# Altium PCB openmv2025.PcbDoc (part 1 of 2)
Units mm, origin at the board's own origin, x right, y up, seen from the top; angles counter-clockwise.
Board outline 130 x 110.34 mm, 2 copper layers (Top Layer, Bottom Layer); 112 components, 172 nets, 482 pads, 127 vias.
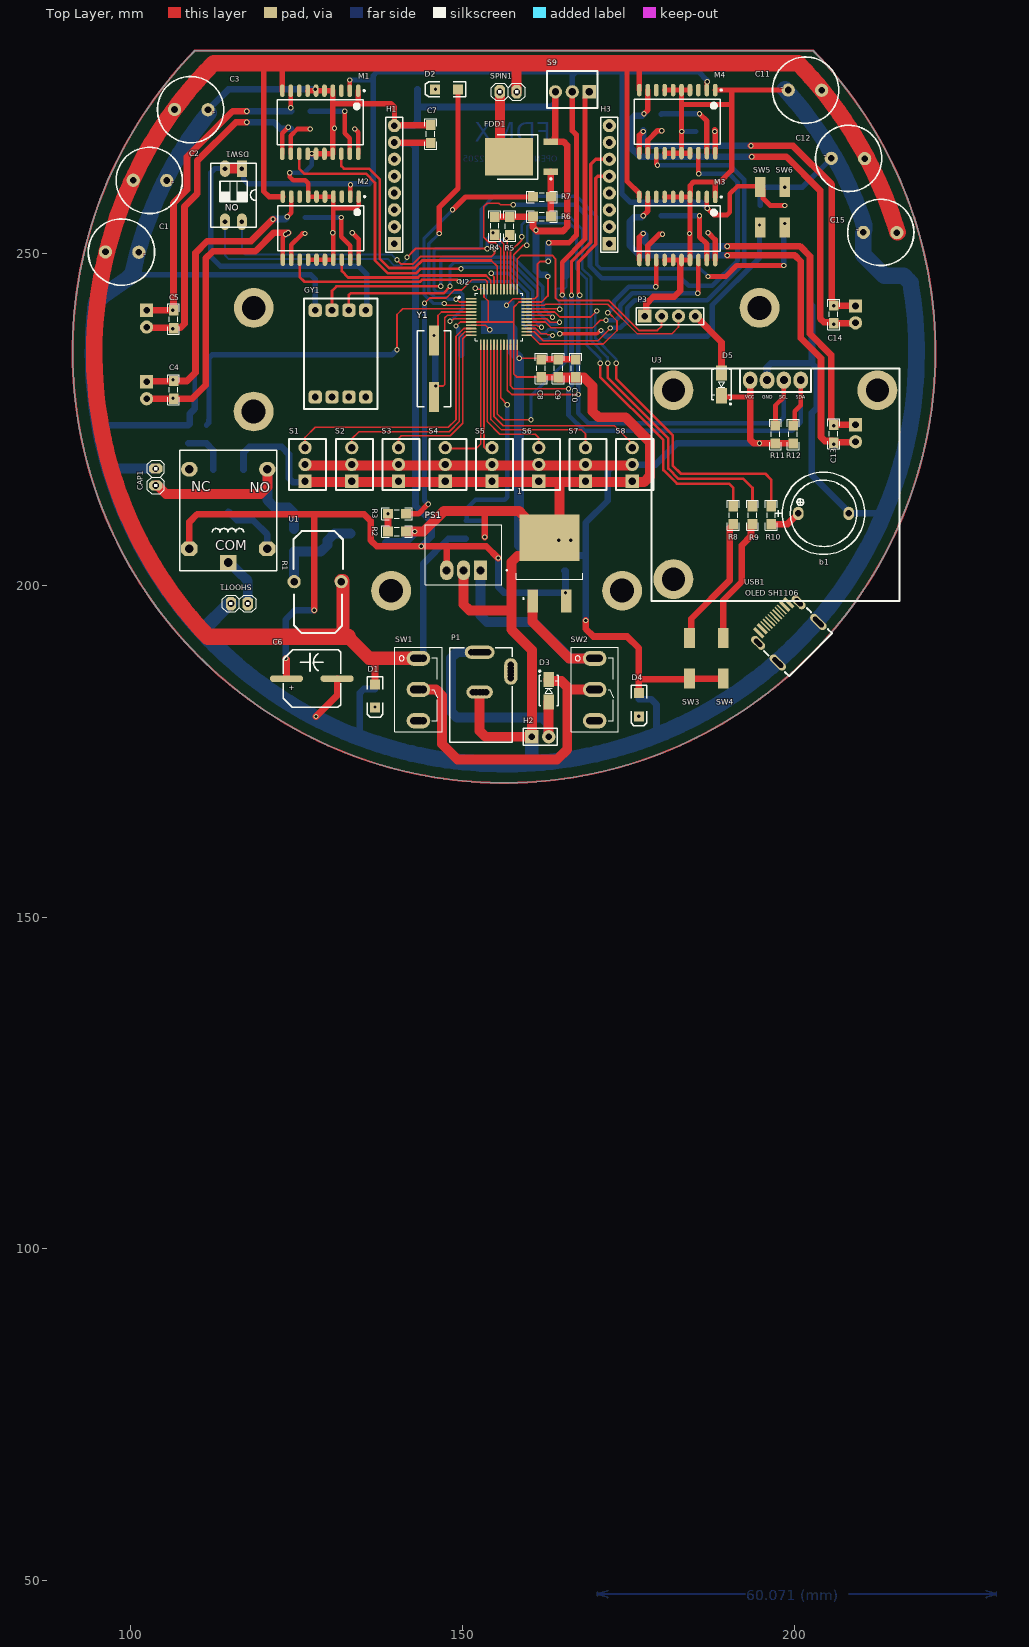
[diagram p0: Top Layer view]
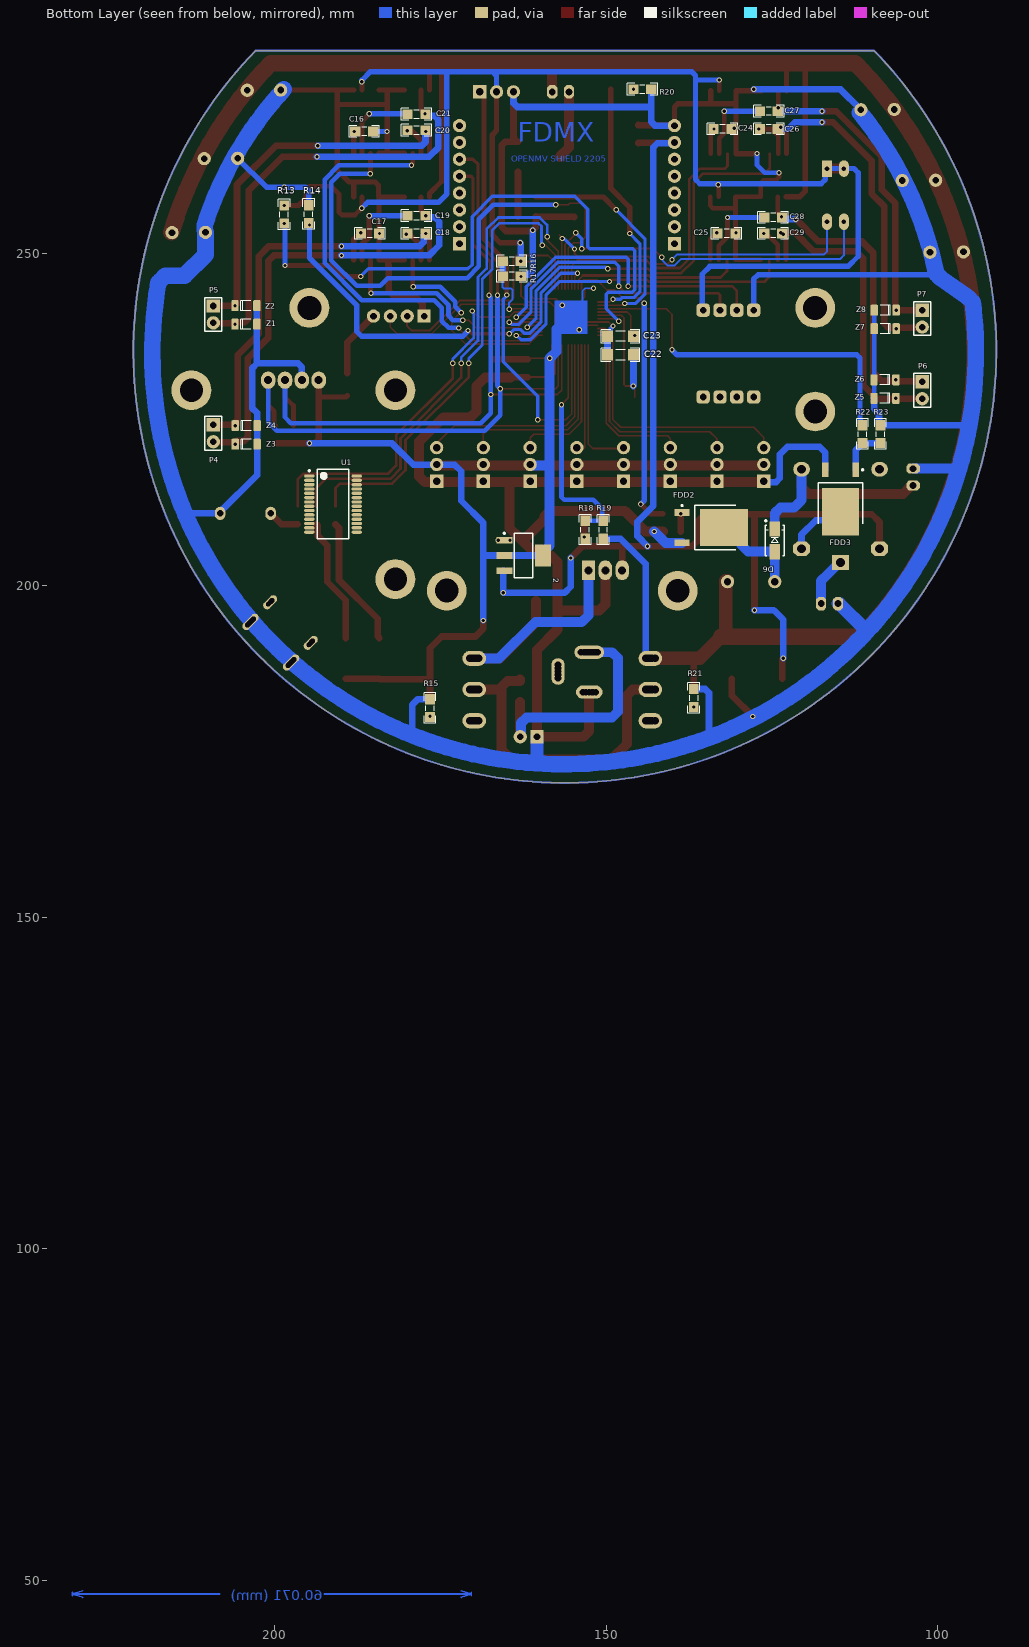
[diagram p1: Bottom Layer view, seen from below]
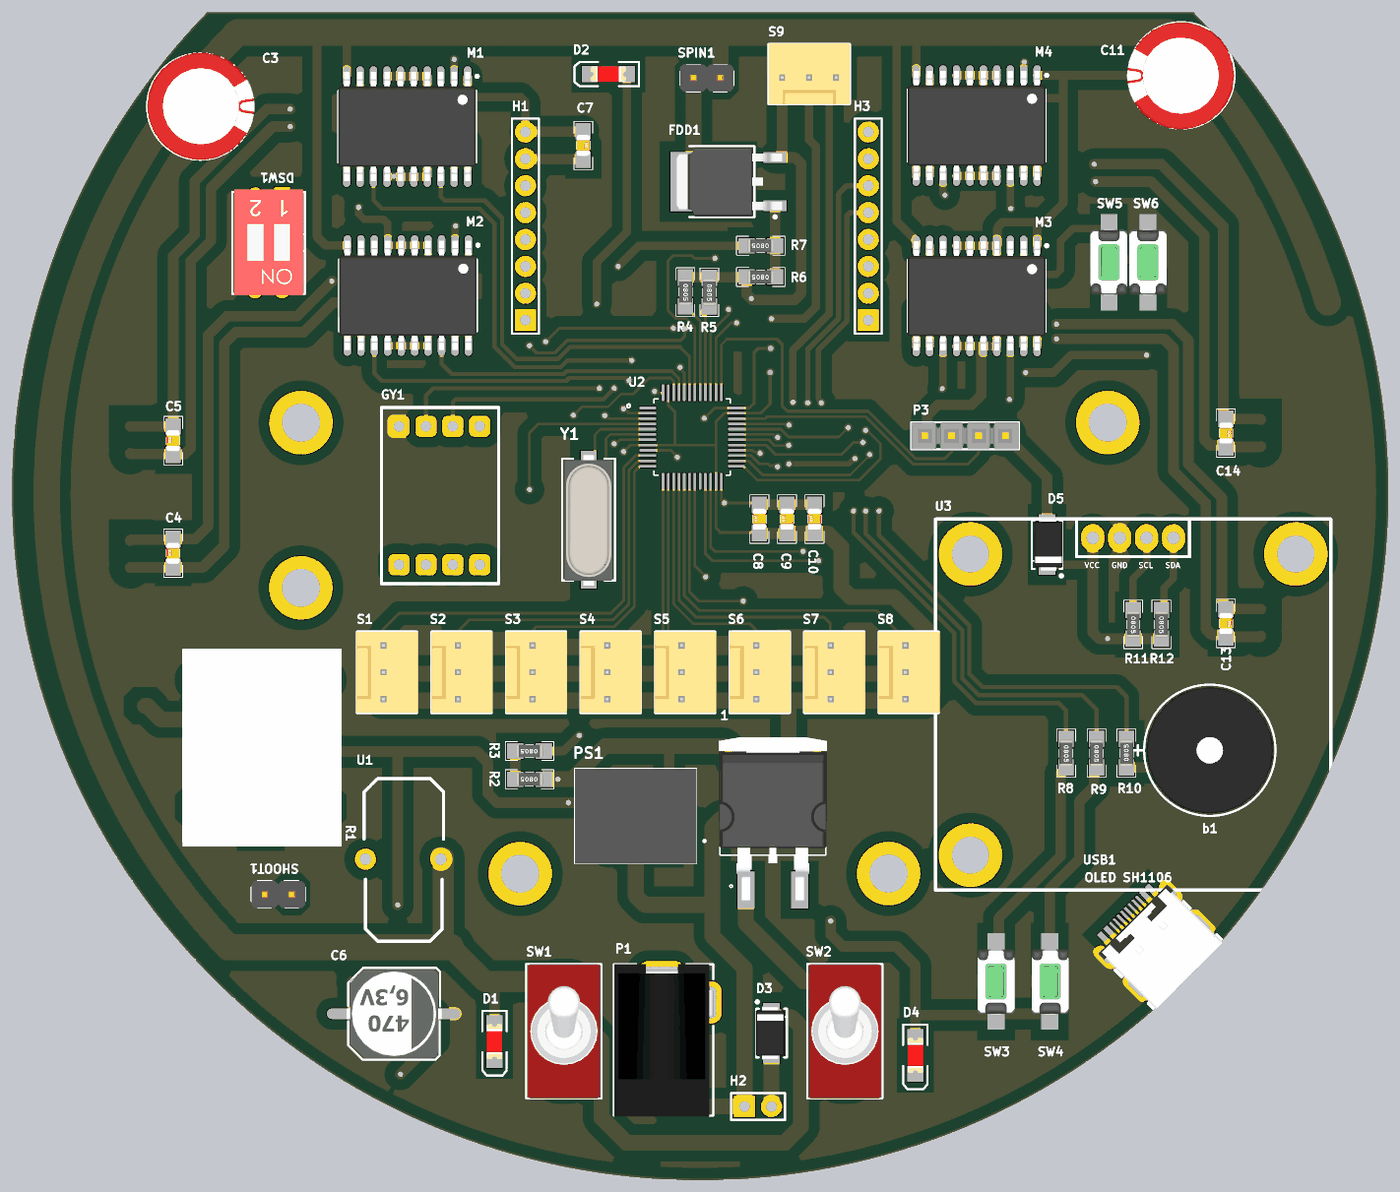
[diagram p3: 3D render of the assembled board from above, using the file's embedded part models]
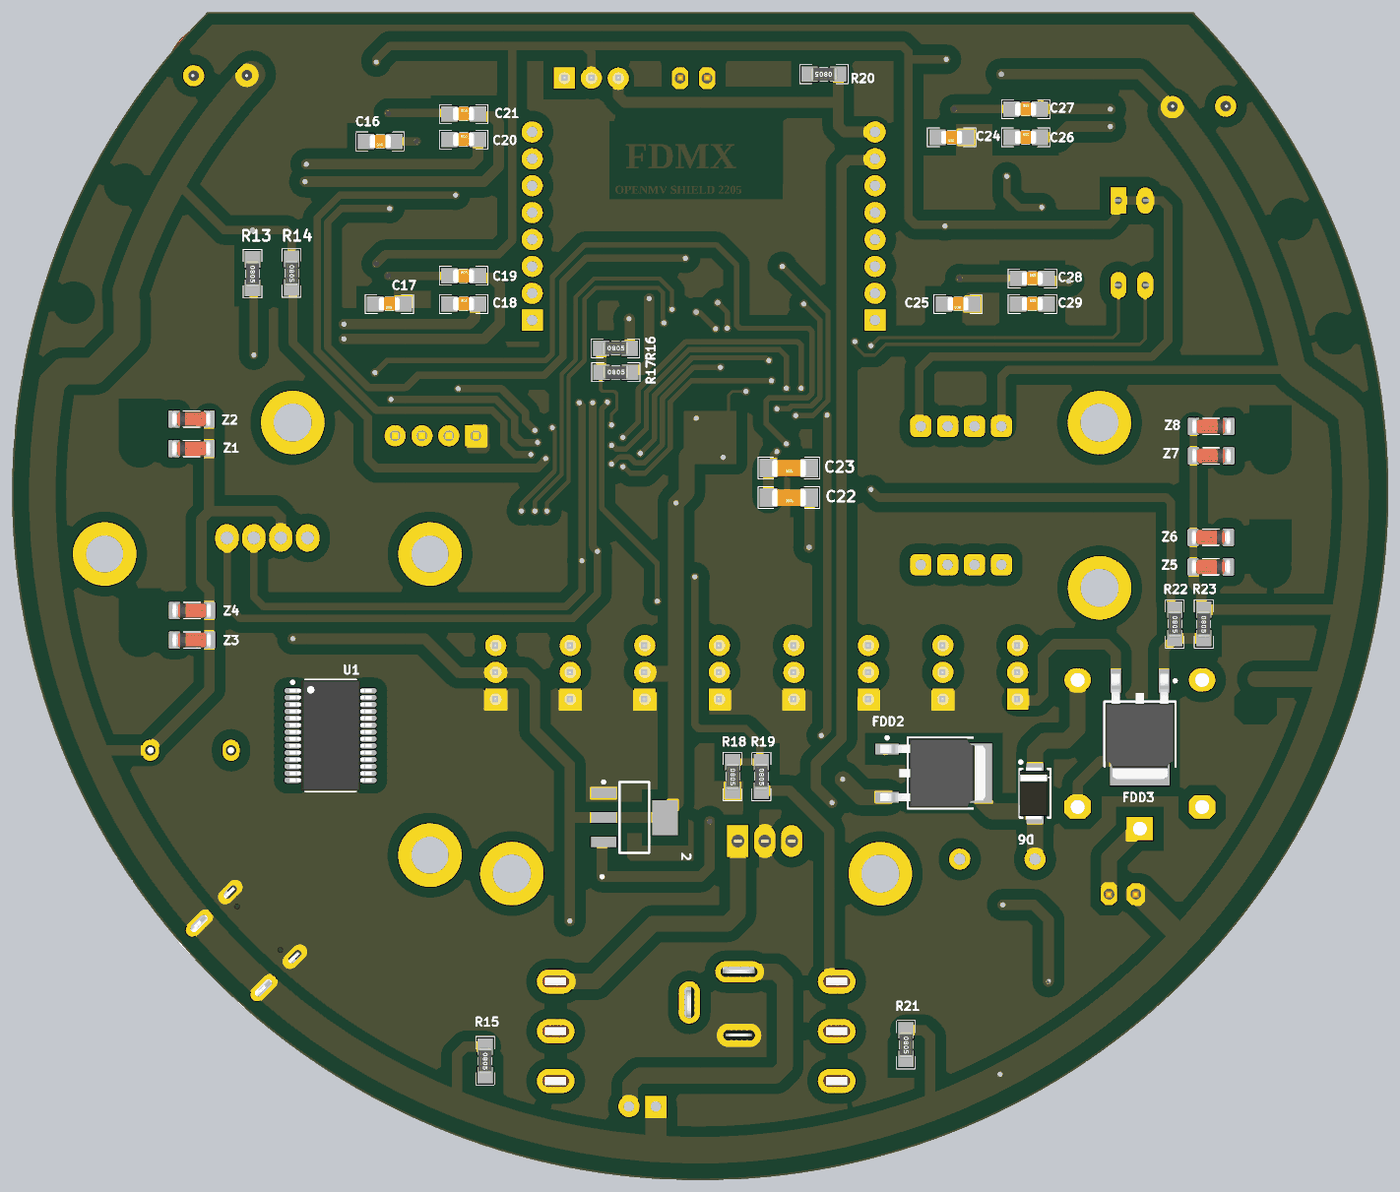
[diagram p4: 3D render of the assembled board from below, using the file's embedded part models]

## Layer stack, top to bottom
Top Solder: solder mask 0.0102, Solder Resist, Dk 3.5
Top Layer: signal copper 0.0356
Dielectric 1: dielectric 0.32, FR-4, Dk 4.8
Bottom Layer: signal copper 0.0356
Bottom Solder: solder mask 0.0102, Solder Resist, Dk 3.5

## Board outline
109.618,280.527 ccw(c156.21,235.204) 202.804,280.525 202.819,280.543

## Design rules (kind name [scope] priority, off if disabled: settings)
Clearance [All] p1: gap=1 ignorepadtopadclearanceinfootprint=FALSE except(0.25: Arc-Arc Arc-Track Arc-SMDPad Track-Track Track-SMDPad SMDPad-SMDPad; 0.254: Arc-THPad Arc-Via Arc-Text Arc-Hole Track-THPad Track-Via Track-Text Track-Hole SMDPad-THPad SMDPad-Via SMDPad-Text SMDPad-Hole THPad-THPad THPad-Via THPad-Text THPad-Hole Via-Via Via-Text Via-Hole Text-Text Text-Hole; 0.5: Fill-Text Fill-Hole Poly-Text Poly-Hole Region-Text Region-Hole)
ComponentClearance [All] p1 off: gap=0.254 collisioncheckmode=3 verticalgap=0.254 showdistances=FALSE
Height [All] p1 off: minheight=0 maxheight=25.4 prefheight=12.7
PolygonConnect [All] p1: connectstyle=Direct reliefconductorwidth=0.254 reliefentries=4 polygonreliefangle="90 Angle" airgapwidth=0.254
RoutingVias [All] p1: holewidth=0.3 width=0.6 viastyle="Through Hole" minholewidth=0.25 minwidth=0.25 maxholewidth=1 maxwidth=1
SolderMaskExpansion [All] p1: expansion=0.102 istentingtop=FALSE
Width [All] p1: maxlimit=10 minlimit=0.25 preferedwidth=0.8
28 further rules are at their usual default settings.

## Components (designator, comment, footprint, x,y, rotation, side; value= is the part's Value field where it differs from the comment)
1 "" VREG_L7805ACD2T 163.068,204.324 r90 top
2 "Comment" SOT223_N 162.433,204.47 r180 bottom
b1 "Comment" "BUZZER 7.62mm DC" 204.343,210.82 r0 top
C1 "Comment" "MY_CAP_POL 10MM" 98.679,250.19 r0 top
C2 "Comment" "MY_CAP_POL 10MM" 102.87,260.985 r0 top
C3 "Comment" "MY_CAP_POL 10MM" 109.093,271.653 r0 top
C4 "Comment" CAPC3413X12N 106.426,229.442 r90 top
C5 "Comment" CAPC3413X12N 106.426,240.077 r90 top
C6 "Comment" "CAP SMD 470uF" 127.254,185.928 r180 top
C7 "Comment" CAPC3413X12N 145.161,267.97 r270 top
C8 "Comment" CAPC3413X12N 161.798,232.664 r90 top
C9 "Comment" CAPC3413X12N 164.401,232.664 r90 top
C10 "Comment" CAPC3413X12N 167.005,232.664 r90 top
C11 "Comment" "MY_CAP_POL 10MM" 201.549,274.574 r180 top
C12 "Comment" "MY_CAP_POL 10MM" 208.026,264.287 r180 top
C13 "Comment" CAPC3413X12N 205.867,222.805 r270 top
C14 "Comment" CAPC3413X12N 205.867,240.792 r270 top
C15 "Comment" "MY_CAP_POL 10MM" 212.875,253.131 r180 top
C16 "Comment" CAPC3413X12N 186.436,268.351 r0 bottom
C17 "Comment" CAPC3413X12N 185.575,252.984 r0 bottom
C18 "Comment" CAPC3413X12N 178.562,252.984 r180 bottom
C19 "Comment" CAPC3413X12N 178.562,255.651 r180 bottom
C20 "Comment" CAPC3413X12N 178.562,268.531 r180 bottom
C21 "Comment" CAPC3413X12N 178.562,270.944 r180 bottom
C22 "0.1uF" CAPC4817X12N 147.828,234.696 r0 bottom (schematic designator C12)
C23 "0.1uF" CAPC4817X12N 147.828,237.49 r0 bottom (schematic designator C11)
C24 "Comment" CAPC3413X12N 132.461,268.732 r0 bottom
C25 "Comment" CAPC3413X12N 131.854,252.984 r0 bottom
C26 "Comment" CAPC3413X12N 125.476,268.732 r180 bottom
C27 "Comment" CAPC3413X12N 125.476,271.399 r180 bottom
C28 "Comment" CAPC3413X12N 124.841,255.397 r180 bottom
C29 "Comment" CAPC3413X12N 124.841,252.984 r180 bottom
CAP1 "Comment" My_1X02 103.759,217.551 r90 top
D1 "SMD 1206 LED" "LED 1206" 136.779,183.289 r270 top (schematic designator D2)
D2 "SMD 1206 LED" "LED 1206" 147.537,274.706 r180 top
D3 "1n4007" DIOM4629X24N 162.941,184.101 r90 top
D4 "SMD 1206 LED" "LED 1206" 176.53,181.991 r270 top (schematic designator D2)
D5 "1n4007" DIOM4629X24N 188.976,230.251 r270 top
D6 "1n4007" DIOM4629X24N 124.587,206.756 r90 bottom (schematic designator D3)
DSW1 "Comment" "DIP Switch x2" 116.713,262.763 r180 top
FDD1 "Comment" TO252-3M 158.875,264.541 r180 top
FDD2 "Comment" TO252-3M 134.157,208.667 r180 bottom locked
FDD3 "Comment" TO252-3M 114.681,212.979 r270 bottom
GY1 "Comment" GY25 117.729,246.126 r270 top
H1 "Comment" HDR1X8 139.7,251.46 r90 top locked
H2 "Comment" HDR1X2 160.401,177.165 r0 top
H3 "Comment" HDR1X8 172.085,251.46 r90 top locked
M1 "Comment" L6201 128.524,269.748 r270 top
M2 "Comment" L6201 128.599,253.789 r270 top
M3 "Comment" L6201 182.32,253.746 r270 top
M4 "Comment" L6201 182.32,269.844 r270 top
P1 "Comment" "DC Power Jack 1" 151.743,189.896 r90 top
P3 "Header 4" HDR1X4 177.419,240.538 r0 top (schematic designator P6)
P4 "Header 2" HDR1X2 209.169,224.155 r270 bottom
P5 "Header 2" HDR1X2 209.169,242.062 r270 bottom (schematic designator P4)
P6 "Header 2" HDR1X2 102.362,230.632 r270 bottom (schematic designator P4)
P7 "Header 2" HDR1X2 102.362,241.427 r270 bottom (schematic designator P4)
PS1 "K7805-2000R3" CONV_K7805-2000R3 150.114,204.597 r180 top
R1 "Comment" "Relay 18.85x15.35x15.70" 114.681,210.439 r0 top
R2 "Comment" RESC3413X04N 140.081,208.085 r180 top
R3 "Comment" RESC3413X04N 140.081,210.752 r180 top
R4 "Comment" RESC3413X04N 154.813,254.127 r270 top
R5 "Comment" RESC3413X04N 157.066,254.105 r270 top
R6 "Comment" RESC3413X04N 161.925,255.536 r180 top
R7 "Comment" RESC3413X04N 161.925,258.496 r180 top
R8 "Comment" RESC3413X04N 190.768,210.544 r270 top
R9 "Comment" RESC3413X04N 193.642,210.544 r270 top
R10 "1K" RESC3413X04N 196.469,210.544 r90 top (schematic designator R22)
R11 "1K" RESC3413X04N 197.102,222.711 r270 top (schematic designator R34)
R12 "1K" RESC3413X04N 199.771,222.711 r270 top (schematic designator R35)
R13 "1K" RESC3413X04N 198.501,255.848 r270 bottom (schematic designator R24)
R14 "1K" RESC3413X04N 194.818,255.905 r270 bottom (schematic designator R23)
R15 "1K" RESC3413X04N 176.53,181.483 r270 bottom (schematic designator R22)
R16 "Comment" RESC3413X04N 164.211,248.793 r180 bottom
R17 "Comment" RESC3413X04N 164.189,246.54 r180 bottom
R18 "Comment" RESC3413X04N 153.155,208.348 r270 bottom
R19 "Comment" RESC3413X04N 150.429,208.348 r270 bottom
R20 "1K" RESC3413X04N 144.526,274.701 r0 bottom (schematic designator R22)
R21 "1K" RESC3413X04N 136.779,183.007 r270 bottom (schematic designator R22)
R22 "Comment" RESC3413X04N 111.379,222.758 r270 bottom
R23 "Comment" RESC3413X04N 108.653,222.758 r270 bottom
S1 "Comment" "H3 MOLEX" 126.238,218.186 r90 top
S2 "Comment" "H3 MOLEX" 133.279,218.186 r90 top
S3 "Comment" "H3 MOLEX" 140.321,218.186 r90 top
S4 "Comment" "H3 MOLEX" 147.362,218.186 r90 top
S5 "Comment" "H3 MOLEX" 154.404,218.186 r90 top
S6 "Comment" "H3 MOLEX" 161.445,218.186 r90 top
S7 "Comment" "H3 MOLEX" 168.487,218.186 r90 top
S8 "Comment" "H3 MOLEX" 175.528,218.186 r90 top
S9 "Comment" "H3 MOLEX" 166.497,274.32 r180 top
SHOOT1 "Comment" My_1X02 117.602,197.231 r0 top
SPIN1 "Comment" My_1X02 155.575,274.32 r180 top
SW1 "Comment" "Switch SPDT - 500x270x1100x185 mil" 143.321,184.278 r0 top
SW2 "Comment" "Switch SPDT - 500x270x1100x185 mil" 169.864,184.278 r0 top
SW3 "Comment" SMD_ALPS_SKQMBBE010#1 184.15,188.976 r270 top
SW4 "Comment" SMD_ALPS_SKQMBBE010#2 189.26,188.976 r270 top
SW5 "Comment" SMD_ALPS_SKQMBBE010#1 194.818,256.921 r90 top
SW6 "Comment" SMD_ALPS_SKQMBBE010#1 198.501,256.921 r90 top
U1 "Comment" FT232RL 191.135,212.217 r180 bottom
U1 "Comment" inductor 128.143,200.66 r0 top
U2 "STM32F103C8T6" QFP50P900X900X160-48N 155.448,240.411 r0 top locked (schematic designator U5)
U3 "Comment" "OLED SH1106" 197.104,215.138 r0 top
USB1 "Comment" "USB Type C 12pin" 198.628,193.294 r225 top
Y1 "12 MHz" "Crystal SMD" 145.669,232.605 r90 top
Z1 "Comment" "SOD80, LL-34" 204.259,239.325 r180 bottom
Z2 "Comment" "SOD80, LL-34" 204.259,242.114 r180 bottom
Z3 "Comment" "SOD80, LL-34" 204.216,221.239 r180 bottom
Z4 "Comment" "SOD80, LL-34" 204.216,224.028 r180 bottom
Z5 "Comment" "SOD80, LL-34" 107.993,228.149 r0 bottom
Z6 "Comment" "SOD80, LL-34" 107.993,230.938 r0 bottom
Z7 "Comment" "SOD80, LL-34" 107.95,238.638 r0 bottom
Z8 "Comment" "SOD80, LL-34" 107.95,241.427 r0 bottom

## Footprints (in the part's own frame and the unit in brackets; to place one, negate y for a bottom-side part, rotate by r counter-clockwise, add the part's x,y. Pads: shape width x height; smd on the part's side, far side on the other; paste and mask are expansions set on the pad)
"BUZZER 7.62mm DC" [mm] "BUZZER 12mm DIA , 7.62mm pitch DESIGNER ABBAS BASEREH"
  oval 1.6x2 hole 1: 1(-3.81,0) 2(3.81,0)
  silkscreen extent -7.3,-6.2 6.2,6.2, body extent -6,-6 6,6, height 9.5
"CAP SMD 470uF" [mm] "SMD CAP 470uF"
  oval 5x1 smd: 1(3.81,0) 2(-3.81,0)
  silkscreen extent -4.37,-4.34 4.29,4.34, body extent -4.53,-4.15 4.47,4.15, height 12
CAPC3413X12N [mm] "Chip Capacitor, 2-Leads, Body 3/40x1/30mm, IPC Medium Density-Design:Abbas Basereh"
  rect 1.55x1.45 smd: 1(-1.35,0) 2(1.35,0)
  silkscreen extent -2.29,-0.89 2.29,0.89, body extent -1,-0.62 1,0.63, height 0.78
CAPC4817X12N [mm] "Chip Capacitor, 2-Leads, Body 4/80x1/70mm, IPC Medium Density-Design:Abbas Basereh"
  rect 1.65x1.75 smd: 1(-1.95,0) 2(1.95,0)
  silkscreen extent -2.92,-1.02 2.92,1.02, body extent -1.6,-0.8 1.6,0.8, height 1
CONV_K7805-2000R3 [mm]
  rect 2x3 hole 1.2: 1(-2.54,2.35)
  oval 2x3 hole 1.2: 2(0,2.35) 3(2.54,2.35)
  silkscreen extent -6.6,-4.5 5.75,4.5, body extent -5.75,-4.5 5.75,4.5, height 17.5
"Crystal SMD" [mm] "DESIGNER ABBAS BASEREH"
  rect 4.5x1.5 smd: 1(-4.25,0) 2(4.25,0)
  silkscreen extent -5.75,-2.5 5.75,2.5, body extent -6.21,-2.25 6.09,2.25, height 5.18
"DC Power Jack 1" [mm] "Power Adaptor Jack"
  round 1.5 hole 1: 1(0,0.45) 1(0,0) 1(0,-0.4) 1(0,-1.2) 1(0,-1.6) 1(0,-2.05) 2(-6,-1.8) 2(-6,0.2) 2(-6,-1.3) 2(-6,-0.3) 3(-3.9,-5.5) 3(-3.4,-5.5) 3(-2.4,-5.5) 3(-1.9,-5.5)
  oval 2x4.5 hole 1: 1(0,-0.8)
  oval 2x4 hole 1: 2(-6,-0.8)
  oval 4x2 hole 1: 3(-2.9,-5.5)
  silkscreen extent -13.59,-5.7 0.7,3.7, body extent -13.68,-5.74 0.72,3.66, height 11.05
DIOM4629X24N [mm] "Molded Diode, 2-Leads, Body 4/60x2/90mm, IPC Medium Density-Design:Abbas Basereh"
  rect 2.3x1.6 smd: 1(-1.7,0) 2(1.7,0)
  silkscreen extent -2.3,-1.45 3.07,1.47, body extent -2.5,-1.22 2.5,1.48, height 2.2
"DIP Switch x2" [mm] "Switch DIP 2 way flat slide Thru-Hole-Design:Ali Hafizi"
  rect 1.5x2.5 hole 0.7: 1(0,0)
  oval 1.5x2.5 hole 0.7: 2(2.54,0) 3(2.54,8) 4(0,8)
  silkscreen extent -2.16,-0.82 4.71,8.83, body extent -1.98,-1.03 4.52,8.97, height 6.91
FT232RL [mm] "SOP, 28-Leads, Body 10.28x5.30mm, Pitch 0.65mm, IPC Medium Density"
  oval 1.55x0.5 smd: 1(-3.575,4.225) 2(-3.575,3.575) 3(-3.575,2.925) 4(-3.575,2.275) 5(-3.575,1.625) 6(-3.575,0.975) 7(-3.575,0.325) 8(-3.575,-0.325) 9(-3.575,-0.975) 10(-3.575,-1.625) 11(-3.575,-2.275) 12(-3.575,-2.925) 13(-3.575,-3.575) 14(-3.575,-4.225) 15(3.575,-4.225) 16(3.575,-3.575) 17(3.575,-2.925) 18(3.575,-2.275) 19(3.575,-1.625) 20(3.575,-0.975) 21(3.575,-0.325) 22(3.575,0.325) 23(3.575,0.975) 24(3.575,1.625) 25(3.575,2.275) 26(3.575,2.925) 27(3.575,3.575) 28(3.575,4.225)
  silkscreen extent -3.7,-5.25 2.4,5.25, body extent -3.89,-5.25 3.89,5.25, height 2
GY25 [mm]
  rrect50% 2x2 hole 1: 1(4.699,17.653) 2(4.699,15.113) 3(4.699,12.573) 4(4.699,10.033) 5(17.78,10.033) 6(17.78,12.573) 7(17.78,15.113) 8(17.78,17.653)
  silkscreen extent 2.92,8.38 19.56,19.43
"H3 MOLEX" [mm]
  rect 2x2 hole 1.1: 1(-2.54,0)
  round 2 hole 1.1: 2(0,0) 3(2.54,0)
  silkscreen extent -3.81,-3.18 3.81,2.41, body extent -3.81,-3.31 3.81,2.49, height 11.25
HDR1X2 [mm] "Connector; Header; 2 Position"
  rect 2x2 hole 1: 1(0,0)
  round 2 hole 1: 2(2.54,0)
  silkscreen extent -1.27,-1.27 3.81,1.27
HDR1X4 [mm] "Connector; Header; 4 Position"
  rect 2x2 hole 1: 1(0,0)
  round 2 hole 1: 2(2.54,0) 3(5.08,0) 4(7.62,0)
  silkscreen extent -1.27,-1.27 8.89,1.27, body extent -1.27,-1.28 8.89,1.26, height 8.38
HDR1X8 [mm] "Connector; Header; 8 Position"
  rect 2x2 hole 1: 1(0,0)
  round 2 hole 1: 2(2.54,0) 3(5.08,0) 4(7.62,0) 5(10.16,0) 6(12.7,0) 7(15.24,0) 8(17.78,0)
  silkscreen extent -1.27,-1.27 19.05,1.27
inductor [mm]
  round 2 hole 1.1: 1(-3.556,-0.127) 2(3.556,-0.127)
  silkscreen extent -3.68,-7.87 3.81,7.49, body extent -4.15,-8.42 4.15,8.17, height 16.29
L6201 [mm] "SOP, 20-Leads, Body 12.80x7.50mm, Pitch 1.27mm, IPC Medium Density"
  oval 1.9x0.7 smd: 1(-4.75,5.715) 2(-4.75,4.445) 3(-4.75,3.175) 4(-4.75,1.905) 5(-4.75,0.635) 6(-4.75,-0.635) 7(-4.75,-1.905) 8(-4.75,-3.175) 9(-4.75,-4.445) 10(-4.75,-5.715) 11(4.75,-5.715) 12(4.75,-4.445) 13(4.75,-3.175) 14(4.75,-1.905) 15(4.75,-0.635) 16(4.75,0.635) 17(4.75,1.905) 18(4.75,3.175) 19(4.75,4.445) 20(4.75,5.715)
  silkscreen extent -4.87,-6.5 3.4,6.74, body extent -5.16,-6.5 5.16,6.5, height 2.5
"LED 1206" [mm]
  rect 1.5x1.5 smd: 1(-1.75,0) 2(1.75,0)
  silkscreen extent -2.9,-1.15 3.2,1.15, body extent -1.65,-0.72 1.65,0.73, height 1.36
My_1X02 [mil]
  oct 60x80 hole 40: 1(-100,0) 2(0,0)
  silkscreen extent -150,-50 50,50, body extent -149,-51 51,49, height 234
"MY_CAP_POL 10MM" [mm]
  round 2 hole 1: +(-2.517,0.02) -(2.517,-0.02)
  silkscreen extent -5.09,-5 4.89,4.98, body extent -5.13,-5.07 5.03,5.09, height 10.16
"OLED SH1106" [mm]
  oval 2.2x2.6 hole 1.2: 1(-3.81,15.748) 2(-1.27,15.748) 3(1.27,15.748) 4(3.81,15.748)
  round 6 hole 3.5: ""(-15.367,14.224) ""(-15.365,-14.23) ""(15.367,14.224)
  silkscreen extent -18.67,-17.53 18.67,17.53, body extent -18,-17 18,17, height 7.6
QFP50P900X900X160-48N [mm]
  rrect50% 1.56x0.25 smd: 1(-4.18,2.75) 2(-4.18,2.25) 3(-4.18,1.75) 4(-4.18,1.25) 5(-4.18,0.75) 6(-4.18,0.25) 7(-4.18,-0.25) 8(-4.18,-0.75) 9(-4.18,-1.25) 10(-4.18,-1.75) 11(-4.18,-2.25) 12(-4.18,-2.75) 25(4.18,-2.75) 26(4.18,-2.25) 27(4.18,-1.75) 28(4.18,-1.25) 29(4.18,-0.75) 30(4.18,-0.25) 31(4.18,0.25) 32(4.18,0.75) 33(4.18,1.25) 34(4.18,1.75) 35(4.18,2.25) 36(4.18,2.75)
  rrect50% 0.25x1.56 smd: 13(-2.75,-4.18) 14(-2.25,-4.18) 15(-1.75,-4.18) 16(-1.25,-4.18) 17(-0.75,-4.18) 18(-0.25,-4.18) 19(0.25,-4.18) 20(0.75,-4.18) 21(1.25,-4.18) 22(1.75,-4.18) 23(2.25,-4.18) 24(2.75,-4.18) 37(2.75,4.18) 38(2.25,4.18) 39(1.75,4.18) 40(1.25,4.18) 41(0.75,4.18) 42(0.25,4.18) 43(-0.25,4.18) 44(-0.75,4.18) 45(-1.25,4.18) 46(-1.75,4.18) 47(-2.25,4.18) 48(-2.75,4.18)
  silkscreen extent -6.15,-3.6 3.6,3.6
"Relay 18.85x15.35x15.70" [mm]
  rect 2.5x2.2 hole 1.3: 1(0,-7.025)
  oval 2.5x2.2 hole 1.3: 2(-5.875,7.025) 3(5.875,7.025)
  oct 2.5x2.2 hole 1.3: 4(-5.875,-4.975) 5(5.875,-4.975)
  silkscreen extent -7.33,-8.27 7.33,9.88, body extent -7.37,-8.72 7.63,9.98, height 15.7
RESC3413X04N [mm] "Chip Resistor, 2-Leads, Body 3/40x1/30mm, IPC Medium Density-Design:Abbas Basereh"
  rect 1.55x1.45 smd: 1(-1.35,0) 2(1.35,0)
  silkscreen extent -2.29,-0.89 2.29,0.89, body extent -1.25,-0.62 1.25,0.62, height 0.79
SMD_ALPS_SKQMBBE010#1 [mm] "Vertical 6.0X3.5 mm Compact Type (SurfaceMount) SKQM Series ; Height 5.0 mm ; 50,000 Cycles ; 1.57N Force"
  rect 3x1.6 smd mask-1.27: 1(-3.048,0) 2(3.048,0)
  body extent -3.15,-1.75 3.15,1.75, height 5.03
SMD_ALPS_SKQMBBE010#2 [mm] "Vertical 6.0X3.5 mm Compact Type (SurfaceMount) SKQM Series ; Height 5.0 mm ; 50,000 Cycles ; 1.57N Force"
  rect 3x1.6 smd mask-1.27: 1(-3.048,-0.03) 2(3.048,-0.03)
  body extent -3.15,-1.75 3.15,1.75, height 5.03
"SOD80, LL-34" [mm] "Diode, MiniMELF"
  round 0.5 on Mech15: 0(0,0)
  rrect25% 1.1x1.65 smd: 1(1.65,0) 2(-1.65,0)
  silkscreen extent -0.76,-0.76 0.76,0.76, body extent -1.88,-0.8 1.82,0.8, height 1.6
SOT223_N [mm] "SOT223, 4-Leads, Body 6.5x3.5mm, Pitch 2.3mm, Lead Span 7mm, IPC Medium Density"
  rect 2.4x1 smd: 1(-2.9,2.3) 2(-2.9,0) 3(-2.9,-2.3)
  rect 2.4x3.3 smd: 4(2.9,0)
  silkscreen extent -3.03,-3.35 1.4,3.47, body extent -1.85,-3.35 1.85,3.35, height 1.7
"Switch SPDT - 500x270x1100x185 mil" [mil]
  round 40 hole 45: 1(-27.56,-185.04) 1(-11.81,-185.04) 1(11.81,-185.04) 1(27.56,-185.04) 2(-27.56,0) 2(-11.81,0) 2(11.81,0) 2(27.56,0) 3(-27.56,185.04) 3(-11.81,185.04) 3(11.81,185.04) 3(27.56,185.04)
  oval 140x90 hole 45: 1(0,-185) 2(0,0) 3(0,185)
  silkscreen extent -140,-250 140,250, body extent -134,-250 136,250, height 1127
TO252-3M [mm] "D-PAK, 3-Pads, Body 6.2x6.7mm (max), IPC Low Density"
  rect 2.2x1 smd: 1(-4.4,2.28) 3(-4.4,-2.28)
  rect 7.2x5.6 smd: 4(1.9,0)
  silkscreen extent -4.52,-3.35 3.7,3.45, body extent -5.06,-3.27 4.88,3.27, height 2.39
"USB Type C 12pin" [mm]
  rect 0.5x2 smd: 1(-3.204,-2.543) 2(-2.413,-2.543) 11(2.387,-2.543) 12(3.186,-2.543)
  rect 0.25x2 smd: 3(-1.747,-2.543) 4(-1.246,-2.543) 5(-0.746,-2.543) 6(-0.246,-2.543) 7(0.255,-2.543) 8(0.755,-2.543) 9(1.255,-2.543) 10(1.755,-2.543)
  oval 1.2x2.5 hole 0.7 slot 1.5 at 90 deg: 13(4.318,-1.524) 16(-4.318,-1.524)
  oval 1.2x3 hole 0.7 slot 2 at 90 deg: 14(4.318,2.667) 15(-4.318,2.667)
  silkscreen extent -4.57,0 4.57,5.33, body extent -4.6,-2.62 4.6,5.33, height 3.2
VREG_L7805ACD2T [mm]
  rect 3.5x1.6 smd: 1(-6.7,2.54) 3(-6.7,-2.54)
  rect 7x9 smd paste-7: 4(2.813,0)
  silkscreen extent -6.48,-5 -2.51,5, body extent -7.71,-5.1 7.71,5.1, height 4.6

## Part data
C22 C23: library part "CAP SMD 1206", "CAP 1206", Data=16-12-2016, Desc.="CAP SMD 1206", Designer="Abbas Basereh"
D1 D2 D4: library part "LED SMD 1206"
D3 D5 D6: library part "1n4007 SMD M7", "Standard Rectifiers", Manufacturer="DC COMPONENTS", Data=16-12-2016, Designer="Abbas Basereh", Link=http://www.tme.eu/en/details/m7/smd-universal-diodes/dc-components/, Part. No=M7
P3: "Header, 4-Pin", LatestRevisionDate=17-Jul-2002, LatestRevisionNote="Re-released for DXP Platform.", Publisher="Altium Limited"
P4 P5 P6 P7: "Header, 2-Pin", LatestRevisionDate=17-Jul-2002, LatestRevisionNote="Re-released for DXP Platform.", Publisher="Altium Limited"
PS1: "éžçµ¶ç¸åž‹ PoL ãƒ¢ã‚¸ãƒ¥ãƒ¼ãƒ« DC DC ã‚³ãƒ³ãƒãƒ¼ã‚¿ 1 å‡ºåŠ› 5V 2A 8V - 36V å…¥åŠ›", Package="SIP-3-3 MORNSUN", Check_prices=https://www.snapeda.com/parts/K7805-2000R3/MORNSUN/view-part/5366399/?ref=eda, Digi-Key_Part_Number=2725-K7805-2000R3-ND, MF="Mornsun America, LLC", MP=K7805-2000R3, SnapEDA_Link=https://www.snapeda.com/parts/K7805-2000R3/MORNSUN/view-part/5366399/?ref=snap
R10 R11 R12 R13 R14 R15 R20 R21: library part "RES 0805 0.125W", "RES 0805", Data=16-12-2016, Desc.="RES SMD 0805", Designer="Abbas Basereh"
U2: "Mainstream Performance line, ARM Cortex-M3 MCU with 64 Kbytes Flash, 72 MHz CPU, motor control, USB and CAN", Package=None, Availability=Unavailable, MP=STM32F103C8T6, Price=None
Y1: library part XTAL, "XTAL Crystal", ComponentLink1Description=Datasheet, ComponentLink2Description=Reference, Design Date=2017-1-3, Designer="ABBAS BASEREH", Mounting Technology="Surface Mount\Through-Hole", Status=Unreleased

## Free pads (board coordinates)
  round 6 hole 3.6 mask+0.1: 2(118.487,226.167) 2(118.499,241.771) 2(139.2,199.158) 2(174,199.174) 2(194.704,241.784)

## Via types
v1: diameter 0.8, hole 0.5, Top Layer to Bottom Layer, tented both sides, 127 vias

## Nets (pads, with @x,y where several pads share a name; then routed paths per layer and width w, separated by ;. In a path a pad name is that pad's centre, name@x,y a point inside that pad or via, vN(x,y) a via of type N, cw(c..) or ccw(c..) an arc to the next point about the centre after c; other vN are vias at no path point)
3.3V: 
5V: 1.3 2.3 C6.1 C7.2 H1.7 PS1.3 R1.4 | length 176.4
  Top Layer w1: R1.4@108.806,205.464 108.806,209.517 109.982,210.693 127.635,210.693 ; v1(123.317,188.976) 123.444,188.849 C6.1@123.444,185.928 ; v1(127.635,196.215) 127.635,210.693 ; H1.7@139.7,266.7 139.74,266.66 145.121,266.66 C7.2@145.161,266.62 ; PS1.3@147.574,202.247 147.574,205.867 ; v1(155.321,204.089) 153.543,205.867 147.574,205.867 ; 127.635,210.693 135.128,210.693 136.144,209.677 136.144,206.756 137.033,205.867 v1(143.764,205.867) 147.574,205.867
  Bottom Layer w1: v1(123.317,188.976) 123.317,194.818 124.714,196.215 v1(127.635,196.215) ; H1.7@139.7,266.7 139.827,266.573 142.282,266.573 142.868,265.987 142.868,211.97 145.288,209.55 145.288,207.391 v1(143.764,205.867) ; v1(155.321,204.089) 155.321,199.771 156.21,198.882 v1(165.481,198.882) 165.481,202.17 2.3@165.333,202.17
12V: 1.1 PS1.1 SW2.3 | length 41.5
  Top Layer w1.5: 1.1@160.528,197.624 160.528,194.437 165.987,188.978 SW2.3@169.164,188.978
  Bottom Layer w1.5: PS1.1@152.654,202.247 152.654,195.453 153.67,194.437 160.655,194.437 166.114,188.978 SW2.3@169.164,188.978 SW2.3@169.564,188.978 SW2.3@170.164,188.978 SW2.3@170.564,188.978
+3.3V: 
+5: 
ADC0: S1.3 U2.10 | length 40.8
  Top Layer w0.25: S1.3@126.238,220.599 126.238,222.25 127.762,223.774 147.807,223.774 148.925,224.892 148.925,224.917 ; 148.971,224.917 148.971,237.363 148.987,237.379 148.987,237.523 150.125,238.661 U2.10@151.268,238.661
ADC1: S2.3 U2.11 | length 33.5
  Top Layer w0.25: S2.3@133.279,220.599 133.279,222.052 134.366,223.139 147.955,223.139 149.479,224.663 149.479,237.109 149.487,237.117 149.487,237.316 150.332,238.161 150.369,238.161 U2.11@151.268,238.161
ADC2: S3.3 U2.12 | length 26.4
  Top Layer w0.25: S3.3@140.321,220.599 140.321,222.109 140.716,222.504 148.103,222.504 149.987,224.388 149.987,237.109 150.539,237.661 U2.12@151.268,237.661
ADC3: S4.3 U2.13 | length 20.6
  Top Layer w0.25: S4.3@147.362,220.599 152.019,220.599 152.698,221.278 U2.13@152.698,236.231
ADC4: S5.3 U2.14 | length 16.7
  Top Layer w0.25: U2.14@153.198,236.231 153.198,220.775 153.374,220.599 S5.3@154.404,220.599
ADC5: S6.3 U2.15 | length 21.9
  Top Layer w0.25: 153.698,224.635 U2.15@153.698,236.231 ; 153.752,224.635 153.752,224.581 155.575,222.758 160.909,222.758 161.445,222.222 S6.3@161.445,220.599
ADC6: S7.3 U2.16 | length 28.6
  Top Layer w0.25: 154.198,225.024 U2.16@154.198,236.231 ; 154.252,225.024 154.252,224.97 155.829,223.393 167.894,223.393 168.487,222.8 S7.3@168.487,220.599
ADC7: S8.3 U2.17 | length 34
  Top Layer w0.25: 154.698,225.413 U2.17@154.698,236.231 ; 154.752,225.413 154.752,225.359 156.083,224.028 172.847,224.028 175.193,221.682 175.193,221.16 S8.3@175.641,220.712
ADC8: S9.1 U2.18 | length 69.3
  Top Layer w0.25: U2.18@155.198,236.231 155.198,225.802 156.083,224.917 v1(160.274,224.917)
  Top Layer w0.7: v1(164.973,243.713) 164.973,248.666 168.402,252.095 168.402,273.51 169.037,274.145 S9.1@169.037,274.32
  Bottom Layer w0.5: v1(160.274,224.917) 160.274,228.473 165.496,233.695 165.496,243.109 164.973,243.632 v1(164.973,243.713)
ADC9: R18.1 R19.1 U2.19 | length 34.9
  Top Layer w0.25: U2.19@155.698,236.231 155.698,228.223 v1(156.718,227.203)
  Bottom Layer w0.7: R18.1@153.155,209.698 R19.1@150.429,209.698 150.585,209.855 150.585,211.523 151.914,212.852 156.308,212.852 156.718,213.262 v1(156.718,227.203)
ADC10: 
ADC11: 
ADC12: 
ADC13: 
ADC14: 
ADC15: 
ADCOUT: 
ADD0: 
ADD1: 
ADD2: 
ADD3: 
"AIR MIX MA +": 
"AIR MIX MA -": 
b11: C26.1 M1.12 | length 6.1
  Top Layer w0.7: M1.12@124.079,264.998 124.079,267.716 125.095,268.732 v1(127,268.732)
b12: C29.1 M2.12 | length 5
  Top Layer w0.7: M2.12@124.154,249.039 124.154,251.281 125.857,252.984 v1(126.238,252.984)
b13: C20.1 M4.12 | length 4.6
  Top Layer w0.8: M4.12@177.875,265.094 177.875,267.029 179.324,268.478 v1(179.959,268.478)
b14: C18.1 M3.12 | length 5.1
  Top Layer w0.8: M3.12@177.875,248.996 177.875,251.154 179.578,252.857 v1(180.086,252.857)
b21: C27.1 M1.19 | length 11.9
  Top Layer w0.7: v1(132.207,271.399) 132.207,268.097 132.969,267.335 M1.19@132.969,264.998
  Bottom Layer w0.8: C27.1@127,271.399 v1(132.207,271.399)
b22: C28.1 M2.19 | length 12.4
  Top Layer w0.7: v1(131.699,255.397) 131.699,252.476 133.044,251.131 M2.19@133.044,249.039
  Bottom Layer w0.7: C28.1@126.191,255.397 v1(131.699,255.397)
b23: C21.1 M4.19 | length 12.2
  Top Layer w0.8: v1(185.674,271.018) 186.765,269.927 M4.19@186.765,265.094
  Bottom Layer w0.8: C21.1@179.912,270.944 179.986,271.018 v1(185.674,271.018)
b24: C19.1 M3.19 | length 12.9
  Top Layer w0.8: v1(185.674,255.651) 185.674,252.476 186.765,251.385 M3.19@186.765,248.996
  Bottom Layer w0.8: C19.1@179.912,255.651 v1(185.674,255.651)
BAT_Volt: 
BOOST_CTRL: R3.1 U2.46 | length 46.6
  Top Layer w0.25: v1(144.23,242.476) 145.023,243.268 147.511,243.268 148.717,244.475 149.86,244.475 151.384,245.999 153.416,245.999 153.698,245.717 U2.46@153.698,244.591
  Top Layer w0.8: R3.1@141.431,210.752 143.315,210.752 v1(144.78,212.217)
  Bottom Layer w0.8: v1(144.23,242.476) 144.23,212.767 v1(144.78,212.217)
BOOT0: R14.2 SW5.1 U2.44 | length 62.5
  Top Layer w0.25: v1(154.305,247) 154.305,246.851 154.698,246.458 U2.44@154.698,244.591
  Top Layer w0.5: v1(164.592,237.871) 170.226,237.871 170.734,238.379 v1(170.815,238.379)
  Bottom Layer w0.5: v1(154.305,247) 156.836,247 159.8,244.036 159.8,239.67 161.492,237.978 162.327,237.978 162.867,238.518 163.887,238.518 164.534,237.871 v1(164.592,237.871)
  Bottom Layer w0.8: v1(170.815,238.379) 170.815,238.298 170.957,238.156 170.957,238.132 171.599,237.49 186.817,237.49 187.579,238.252 187.579,242.189 194.691,249.301 v1(194.691,254.254)
buz: b1.1 R10.1 | length 4.8
  Top Layer w1: R10.1@196.469,209.194 198.944,209.194 200.533,210.782 b1.1@200.533,210.82
Buzzer: R10.2 U2.32 | length 59.2
  Top Layer w0.25: U2.32@159.628,241.161 163.842,241.161 164.592,240.411 169.291,240.411 v1(170.18,241.3)
  Top Layer w0.4: v1(173.101,233.426) 173.101,231.14 181.629,222.612 181.629,218.04 182.88,216.789 195.58,216.789 196.469,215.9 R10.2@196.469,211.894
  Bottom Layer w0.4: v1(170.18,241.3) 170.18,241.192 169.956,240.968 169.956,237.206 173.101,234.061 v1(173.101,233.426)
DIP1: DSW1.4 R5.2 U2.40 | length 55.4
  Top Layer w0.25: U2.40@156.698,244.591 156.698,252.386 R5.2@157.066,252.755
  Top Layer w0.3: v1(140.081,249.051) 140.755,248.377 142.459,248.377 143.637,249.555 154.351,249.555 154.756,249.96 v1(154.756,250.647)
  Bottom Layer w0.3: DSW1.4@116.713,254.763 116.713,250.317 117.221,249.809 139.323,249.809 v1(140.081,249.051)
  Bottom Layer w0.5: v1(154.756,250.647) 156.273,252.165 156.534,252.165 v1(156.591,252.222)
DIP2: DSW1.3 R4.2 U2.41 | length 58
  Top Layer w0.25: R4.2@154.813,252.777 154.813,252.727 156.198,251.342 U2.41@156.198,244.591
  Top Layer w0.3: v1(141.605,249.428) 142.875,250.698 v1(153.67,250.698)
  Bottom Layer w0.3: DSW1.3@114.173,254.763 114.173,249.682 114.681,249.174 138.684,249.174 139.7,248.158 140.739,248.158 141.1,248.519 141.509,248.928 141.509,249.332 v1(141.605,249.428)
  Bottom Layer w0.5: v1(153.67,250.698) 153.67,252.222 v1(154.559,253.111)
DIPSW1: 
DIPSW2: 
ENA_1: 
ENA_2: 
ENA_3: 
ENA_4: 
ENB_1: 
ENB_2: 
ENB_3: 
ENB_4: 
GATE: FDD1.1 R6.1 R7.1 | length 6.7
  Top Layer w1: R6.1@163.275,255.536 R7.1@163.275,258.496 FDD1.1@163.275,262.261
GATE_BOOST: FDD2.1 R2.2 R3.2 | length 2.7
  Top Layer w1: R2.2@138.731,208.085 v1(138.731,210.752) R3.2@138.737,210.746
GATE_RELAY: FDD3.1 R22.2 R23.2 | length 7.2
  Bottom Layer w1: R23.2@108.653,221.408 R22.2@111.379,221.408 111.379,221.358 112.401,220.336 FDD3.1@112.401,217.379